# KiCad board gd MegaII proto pcb.kicad_pcb
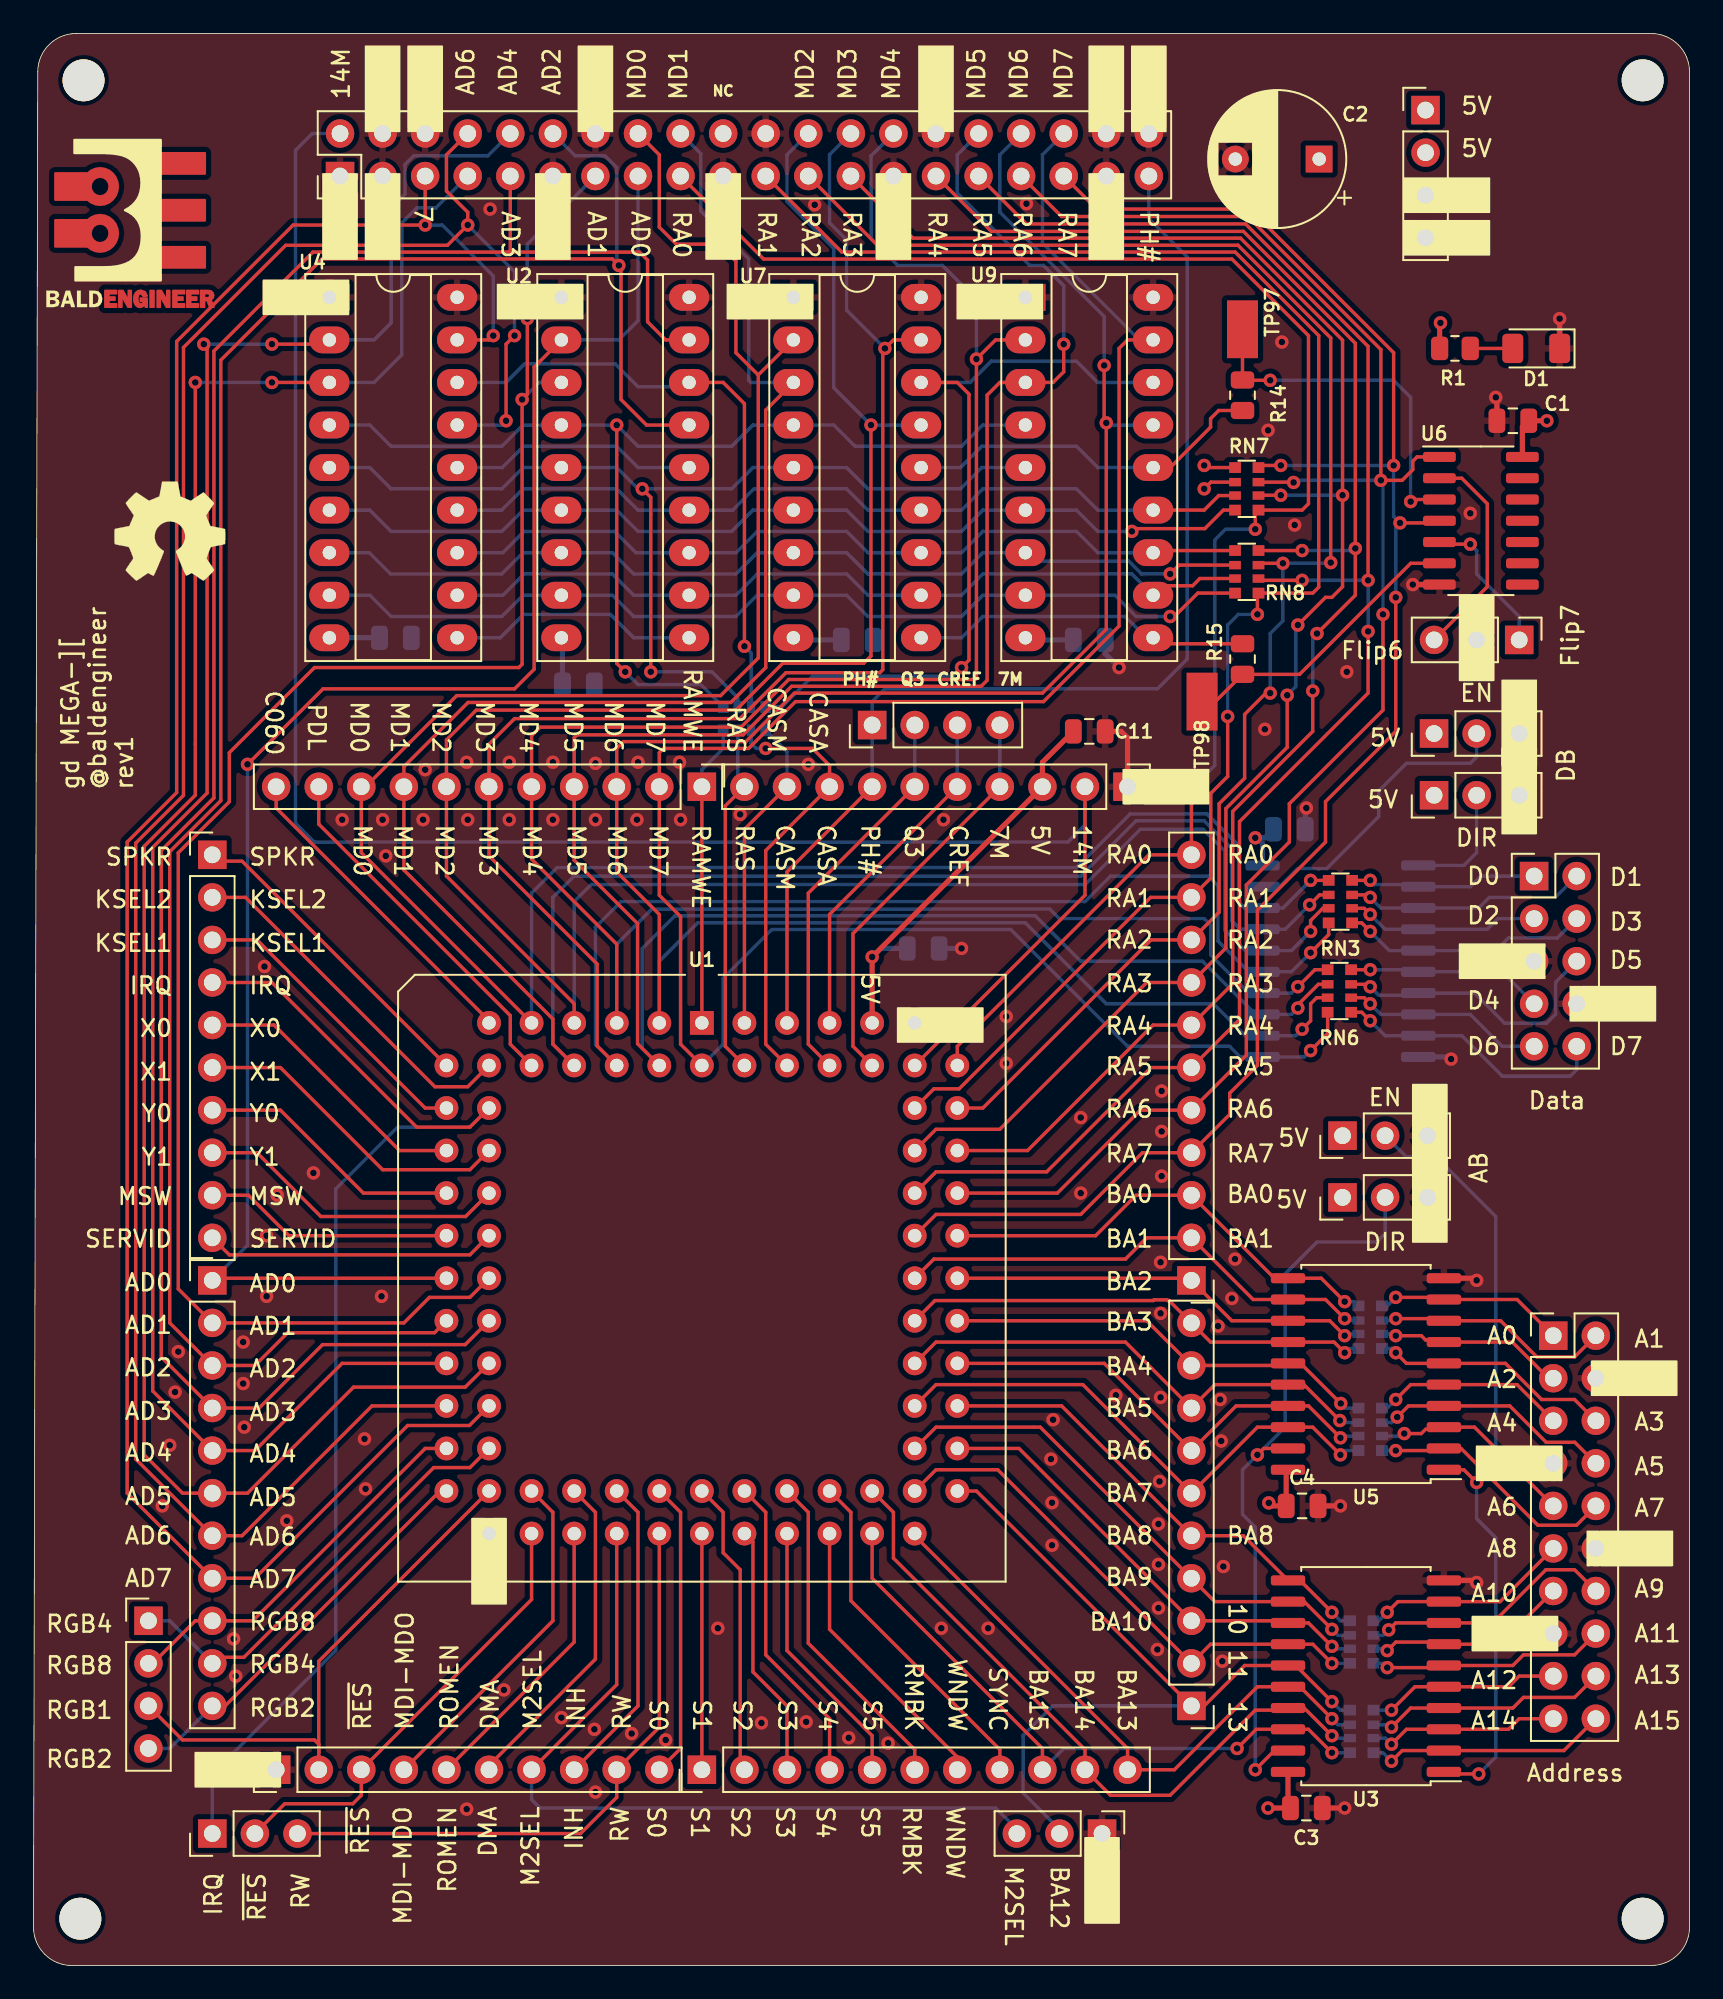
[diagram p0: board, top side]
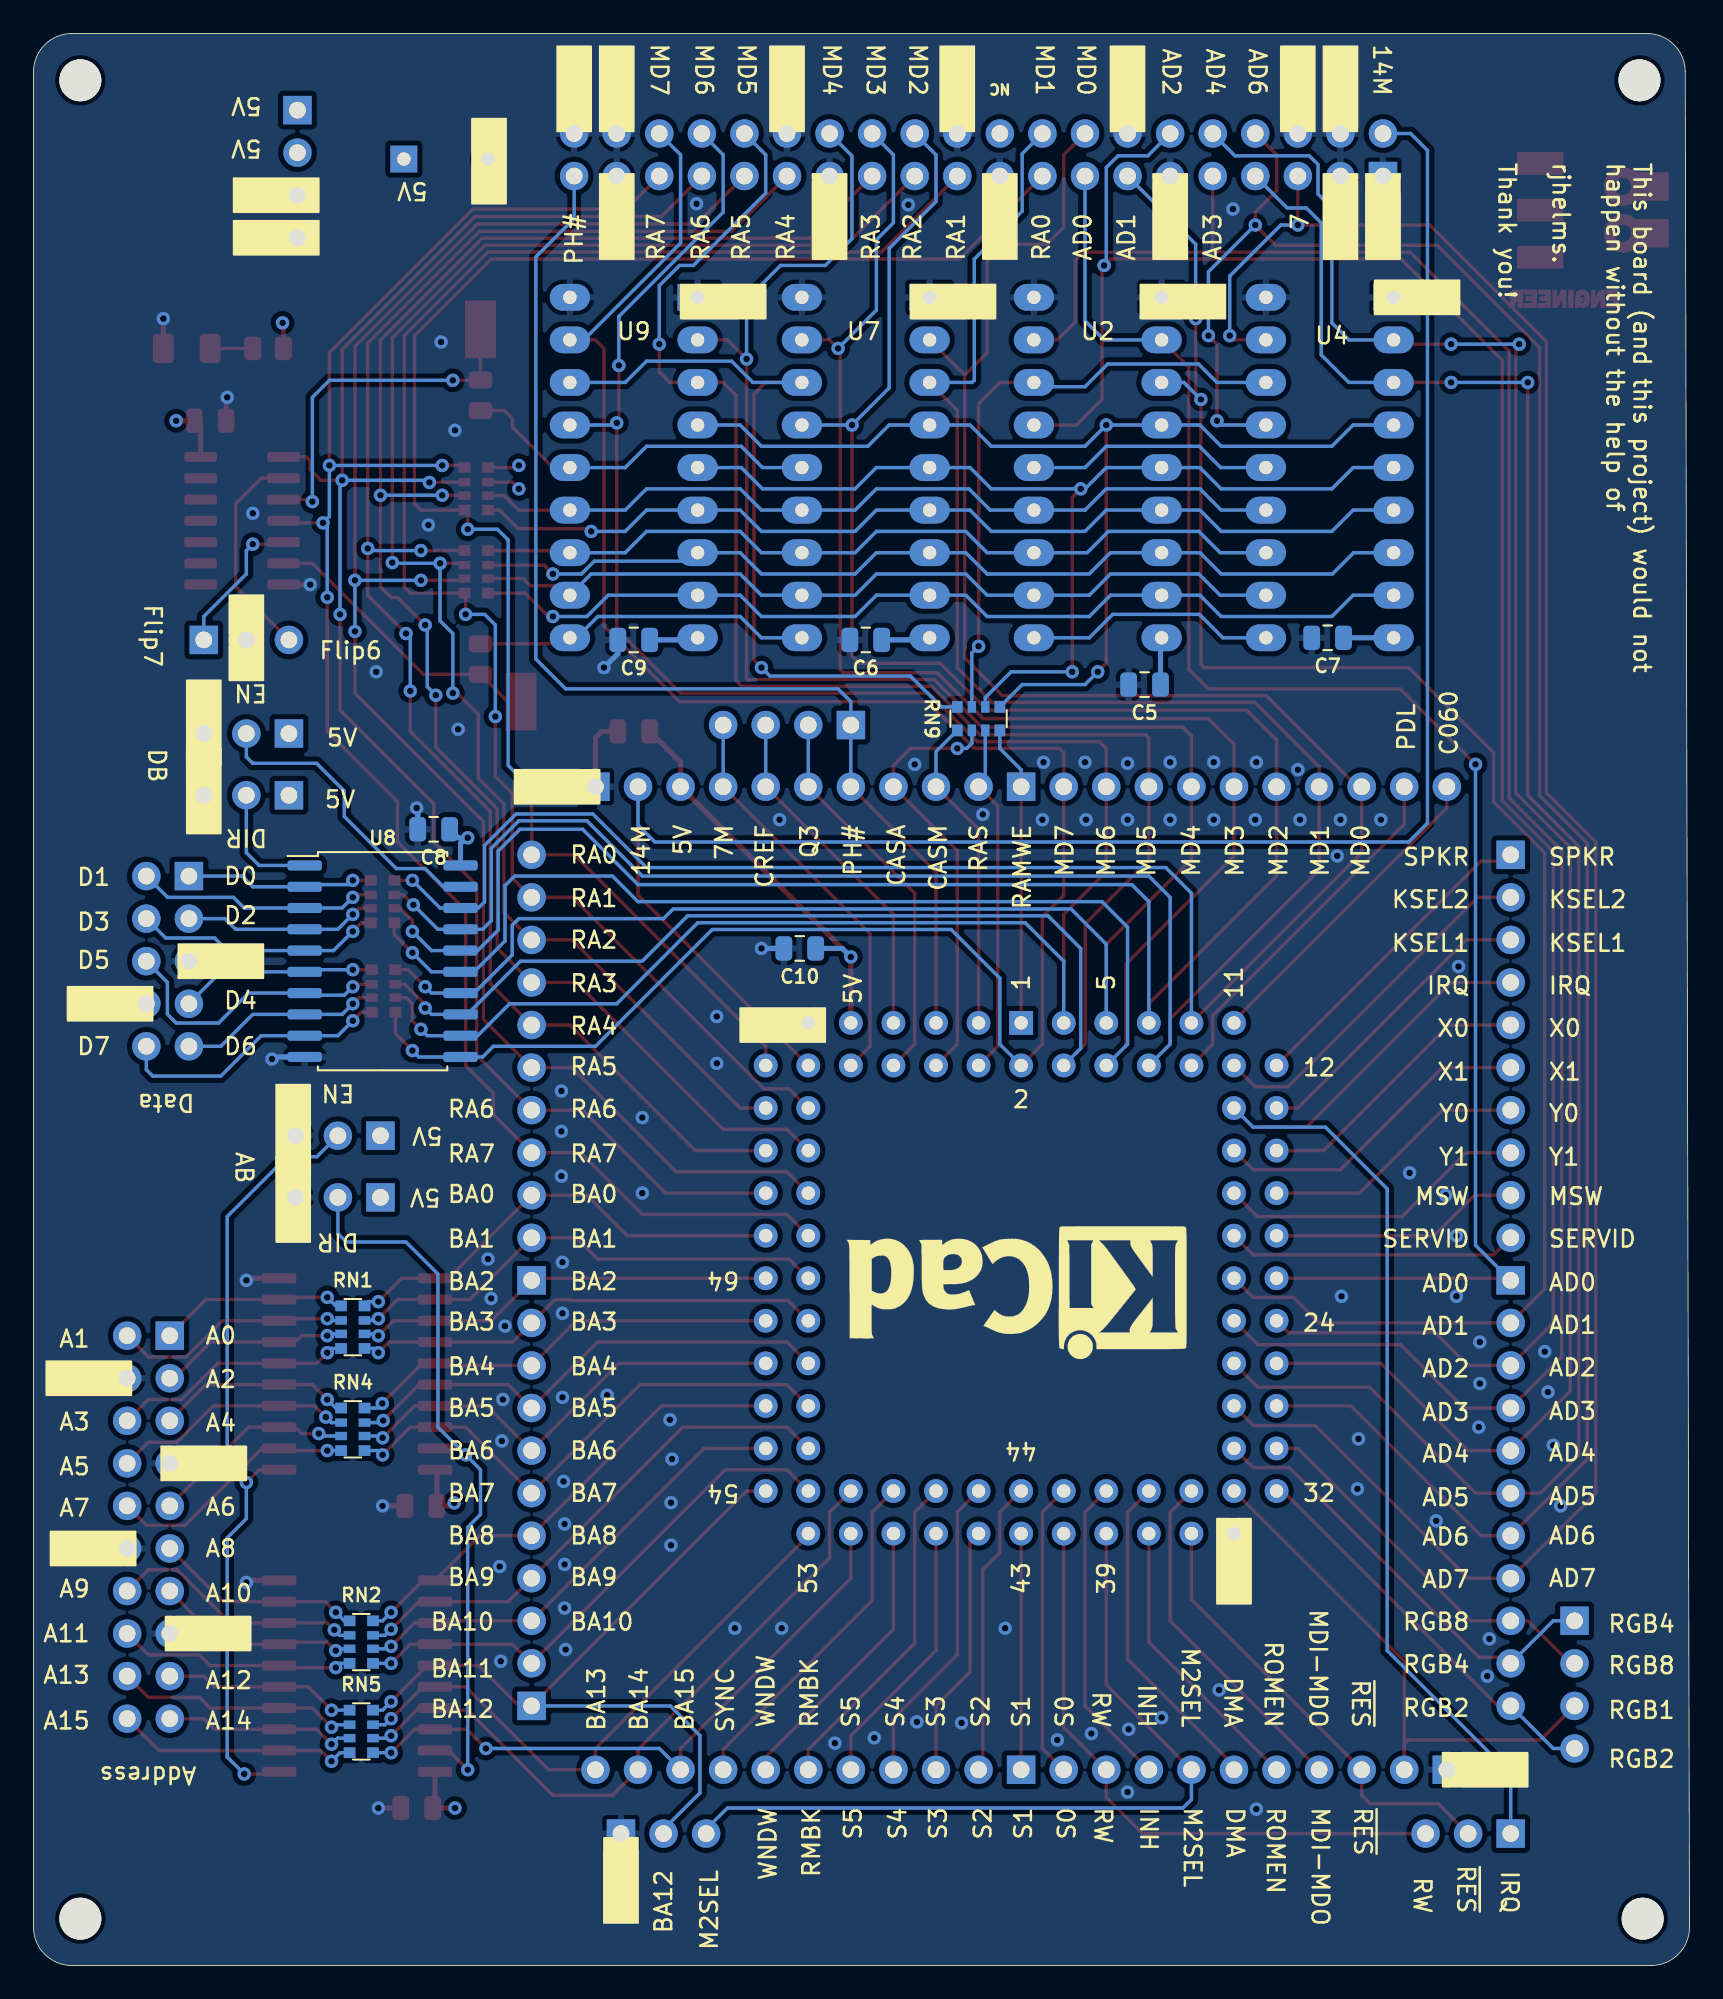
[diagram p1: board, bottom side, seen from below]

Outline 98.81 x 115.32 mm; copper layers: Top, In1.Cu, In2.Cu, Bottom. Coordinates in mm from the lower left corner of the outline.
Outline path: 0,2.29 0.25,113.03 arc(0.92,114.65) 2.54,115.32 96.52,115.32 arc(98.14,114.65) 98.81,113.03 98.81,2.29 arc(98.14,0.67) 96.52,0 2.29,0 arc(0.67,0.67) 0,2.29

## Placement (name value [footprint] x y rotation side)
C1  100nF  [C_0805_2012Metric]  88.26 92.2 180 top
C2  100uF  [CP_Radial_D8.0mm_P5.00mm]  76.71 107.82 180 top
C3  1uF  [C_0805_2012Metric]  75.95 9.4 0 top
C4  1uF  [C_0805_2012Metric]  75.69 27.43 0 top
C5  1uF  [C_0805_2012Metric]  32.51 76.45 0 bottom
C6  1uF  [C_0805_2012Metric]  49.15 79.12 0 bottom
C7  1uF  [C_0805_2012Metric]  21.59 79.25 0 bottom
C8  1uF  [C_0805_2012Metric]  74.93 67.82 0 bottom
C9  1uF  [C_0805_2012Metric]  62.99 79.12 0 bottom
C10  10uF  [C_0805_2012Metric]  53.09 60.71 0 bottom
C11  1uF  [C_0805_2012Metric]  62.99 73.66 0 top
D1  PWR  [LED_1206_3216Metric]  89.66 96.52 180 top
H1  MountingHole  [MountingHole_2.5mm]  96.01 2.79 0 top
H2  MountingHole  [MountingHole_2.5mm]  96.01 112.52 0 top
H3  MountingHole  [MountingHole_2.5mm]  2.98 112.52 0 top
H4  MountingHole  [MountingHole_2.5mm]  2.79 2.79 0 top
J1  ABDIR  [PinHeader_1x03_P2.54mm_Vertical]  78.1 49.53 90 top
J2  ABEN  [PinHeader_1x03_P2.54mm_Vertical]  78.1 45.85 90 top
J3  FLIP  [PinHeader_1x03_P2.54mm_Vertical]  88.65 79.12 270 top
J4  DBDIR  [PinHeader_1x03_P2.54mm_Vertical]  83.57 69.85 90 top
J5  DBEN  [PinHeader_1x03_P2.54mm_Vertical]  83.57 73.53 90 top
J6  VGC Extra 1  [PinHeader_1x03_P2.54mm_Vertical]  10.67 7.87 90 top
J7  Bald-Ext-1  [PinHeader_2x20_P2.54mm_Vertical]  18.29 106.81 90 top
J8  VGC Extra 2  [PinHeader_1x03_P2.54mm_Vertical]  63.75 7.87 270 top
J9  Address  [PinHeader_2x10_P2.54mm_Vertical]  90.68 37.59 0 top
J10  Data  [PinHeader_2x05_P2.54mm_Vertical]  89.53 65.02 0 top
J11  PWR  [PinHeader_1x04_P2.54mm_Vertical]  83.06 110.74 0 top
J12  CLKS  [PinHeader_1x04_P2.54mm_Vertical]  50.04 74.04 90 top
JP1  RGB Binary  [PinHeader_1x04_P2.54mm_Vertical]  6.86 20.57 0 top
JP3  P54-63  [PinHeader_1x10_P2.54mm_Vertical]  10.67 66.29 0 top
JP4  P64-74  [PinHeader_1x11_P2.54mm_Vertical]  10.67 40.89 0 top
JP7  P54-63  [PinHeader_1x10_P2.54mm_Vertical]  14.48 11.68 90 top
JP8  P64-74  [PinHeader_1x11_P2.54mm_Vertical]  39.88 70.36 270 top
JP11  P64-74  [PinHeader_1x11_P2.54mm_Vertical]  39.88 11.68 90 top
JP12  P54-63  [PinHeader_1x10_P2.54mm_Vertical]  65.28 70.36 270 top
JP15  P64-74  [PinHeader_1x11_P2.54mm_Vertical]  69.09 40.89 180 top
JP16  P54-63  [PinHeader_1x10_P2.54mm_Vertical]  69.09 15.49 180 top
R1  1k  [R_0805_2012Metric]  84.81 96.52 0 top
R14  100  [R_0805_2012Metric]  72.14 93.73 90 top
R15  100  [R_0805_2012Metric]  72.14 77.98 270 top
REF**  -  [OSHW-Symbol_6.7x6mm_SilkScreen]  8.13 85.6 0 top
REF**#2  -  [KiCad-Logo_8mm_SilkScreen]  40.13 40.13 0 bottom
RN1  R_Pack04  [R_Array_Convex_4x0612]  79.76 38.1 180 bottom
RN2  R_Pack04  [R_Array_Convex_4x0612]  79.25 19.3 180 bottom
RN3  R_Pack04  [R_Array_Convex_4x0612]  77.98 63.5 180 top
RN4  R_Pack04  [R_Array_Convex_4x0612]  79.76 32 180 bottom
RN5  R_Pack04  [R_Array_Convex_4x0612]  79.25 13.97 180 bottom
RN6  R_Pack04  [R_Array_Convex_4x0612]  77.92 58.17 180 top
RN7  100  [R_Array_Convex_4x0612]  72.39 88.14 180 top
RN8  100  [R_Array_Convex_4x0612]  72.39 83.19 180 top
RN9  100  [R_Array_Convex_4x0612]  42.42 74.42 90 bottom
svg2mod  G***  [BE10v2]  0.76 108.97 0 top
TP97  TestPoint  [Harwin-S1751-46-Test-Point]  72.14 97.66 90 top
TP98  TestPoint  [Harwin-S1751-46-Test-Point]  69.72 75.44 270 top
U1  Apple_MEGA_II  [PLCC-84_THT-Socket]  39.88 56.26 0 top
U2  DRAM64KX4  [DIP-18_W7.62mm_Socket_LongPads]  31.5 99.57 0 top
U3  74HCT245  [SOIC-20W_7.5x12.8mm_P1.27mm]  79.5 17.27 180 top
U4  DRAM64KX4  [DIP-18_W7.62mm_Socket_LongPads]  17.65 99.57 0 top
U5  74HCT245  [SOIC-20W_7.5x12.8mm_P1.27mm]  79.5 35.31 180 top
U6  74HCT86  [SOIC-14_3.9x8.7mm_P1.27mm]  86.36 86.23 0 top
U7  DRAM64KX4  [DIP-18_W7.62mm_Socket_LongPads]  45.34 99.57 0 top
U8  74HCT245  [SOIC-20W_7.5x12.8mm_P1.27mm]  77.98 59.94 180 bottom
U9  DRAM64KX4  [DIP-18_W7.62mm_Socket_LongPads]  59.18 99.57 0 top

## Footprints (pads in the part's own frame, mm; a bottom-side part is the same pattern mirrored in y, then rotated)
C_0805_2012Metric
  rrect 1x1.45 smd: 1(-0.95,0) 2(0.95,0)
CP_Radial_D8.0mm_P5.00mm
  rect 1.6x1.6 hole 0.8: 1(0,0)
  round 1.6 hole 0.8: 2(5,0)
DIP-18_W7.62mm_Socket_LongPads
  rect 2.4x1.6 hole 0.8: 1(0,0)
  oval 2.4x1.6 hole 0.8: 2(0,-2.54) 3(0,-5.08) 4(0,-7.62) 5(0,-10.16) 6(0,-12.7) 7(0,-15.24) 8(0,-17.78) 9(0,-20.32) 10(7.62,-20.32) 11(7.62,-17.78) 12(7.62,-15.24) 13(7.62,-12.7) 14(7.62,-10.16) 15(7.62,-7.62) 16(7.62,-5.08) 17(7.62,-2.54) 18(7.62,0)
Harwin-S1751-46-Test-Point
  rect 3.45x1.85 smd: 1(0,0)
LED_1206_3216Metric
  rrect 1.25x1.75 smd: 1(-1.4,0) 2(1.4,0)
MountingHole_2.5mm
  round 2.5 hole 2.5 unplated: (0,0)
PinHeader_1x03_P2.54mm_Vertical
  rect 1.7x1.7 hole 1: 1(0,0)
  oval 1.7x1.7 hole 1: 2(0,-2.54) 3(0,-5.08)
PinHeader_1x04_P2.54mm_Vertical
  rect 1.7x1.7 hole 1: 1(0,0)
  oval 1.7x1.7 hole 1: 2(0,-2.54) 3(0,-5.08) 4(0,-7.62)
PinHeader_1x10_P2.54mm_Vertical
  rect 1.7x1.7 hole 1: 1(0,0)
  oval 1.7x1.7 hole 1: 2(0,-2.54) 3(0,-5.08) 4(0,-7.62) 5(0,-10.16) 6(0,-12.7) 7(0,-15.24) 8(0,-17.78) 9(0,-20.32) 10(0,-22.86)
PinHeader_1x11_P2.54mm_Vertical
  rect 1.7x1.7 hole 1: 1(0,0)
  oval 1.7x1.7 hole 1: 2(0,-2.54) 3(0,-5.08) 4(0,-7.62) 5(0,-10.16) 6(0,-12.7) 7(0,-15.24) 8(0,-17.78) 9(0,-20.32) 10(0,-22.86) 11(0,-25.4)
PinHeader_2x05_P2.54mm_Vertical
  rect 1.7x1.7 hole 1: 1(0,0)
  oval 1.7x1.7 hole 1: 2(2.54,0) 3(0,-2.54) 4(2.54,-2.54) 5(0,-5.08) 6(2.54,-5.08) 7(0,-7.62) 8(2.54,-7.62) 9(0,-10.16) 10(2.54,-10.16)
PinHeader_2x10_P2.54mm_Vertical
  rect 1.7x1.7 hole 1: 1(0,0)
  oval 1.7x1.7 hole 1: 2(2.54,0) 3(0,-2.54) 4(2.54,-2.54) 5(0,-5.08) 6(2.54,-5.08) 7(0,-7.62) 8(2.54,-7.62) 9(0,-10.16) 10(2.54,-10.16) 11(0,-12.7) 12(2.54,-12.7) 13(0,-15.24) 14(2.54,-15.24) 15(0,-17.78) 16(2.54,-17.78) 17(0,-20.32) 18(2.54,-20.32) 19(0,-22.86) 20(2.54,-22.86)
PinHeader_2x20_P2.54mm_Vertical
  rect 1.7x1.7 hole 1: 1(0,0)
  oval 1.7x1.7 hole 1: 2(2.54,0) 3(0,-2.54) 4(2.54,-2.54) 5(0,-5.08) 6(2.54,-5.08) 7(0,-7.62) 8(2.54,-7.62) 9(0,-10.16) 10(2.54,-10.16) 11(0,-12.7) 12(2.54,-12.7) 13(0,-15.24) 14(2.54,-15.24) 15(0,-17.78) 16(2.54,-17.78) 17(0,-20.32) 18(2.54,-20.32) 19(0,-22.86) 20(2.54,-22.86) 21(0,-25.4) 22(2.54,-25.4) 23(0,-27.94) 24(2.54,-27.94) 25(0,-30.48) 26(2.54,-30.48) 27(0,-33.02) 28(2.54,-33.02) 29(0,-35.56) 30(2.54,-35.56) 31(0,-38.1) 32(2.54,-38.1) 33(0,-40.64) 34(2.54,-40.64) 35(0,-43.18) 36(2.54,-43.18) 37(0,-45.72) 38(2.54,-45.72) 39(0,-48.26) 40(2.54,-48.26)
PLCC-84_THT-Socket
  rect 1.422x1.422 hole 0.8: 1(0,0)
  round 1.422 hole 0.8: 2(0,-2.54) 3(-2.54,0) 4(-2.54,-2.54) 5(-5.08,0) 6(-5.08,-2.54) 7(-7.62,0) 8(-7.62,-2.54) 9(-10.16,0) 10(-10.16,-2.54) 11(-12.7,0) 12(-15.24,-2.54) 13(-12.7,-2.54) 14(-15.24,-5.08) 15(-12.7,-5.08) 16(-15.24,-7.62) 17(-12.7,-7.62) 18(-15.24,-10.16) 19(-12.7,-10.16) 20(-15.24,-12.7) 21(-12.7,-12.7) 22(-15.24,-15.24) 23(-12.7,-15.24) 24(-15.24,-17.78) 25(-12.7,-17.78) 26(-15.24,-20.32) 27(-12.7,-20.32) 28(-15.24,-22.86) 29(-12.7,-22.86) 30(-15.24,-25.4) 31(-12.7,-25.4) 32(-15.24,-27.94) 33(-12.7,-30.48) 34(-12.7,-27.94) 35(-10.16,-30.48) 36(-10.16,-27.94) 37(-7.62,-30.48) 38(-7.62,-27.94) 39(-5.08,-30.48) 40(-5.08,-27.94) 41(-2.54,-30.48) 42(-2.54,-27.94) 43(0,-30.48) 44(0,-27.94) 45(2.54,-30.48) 46(2.54,-27.94) 47(5.08,-30.48) 48(5.08,-27.94) 49(7.62,-30.48) 50(7.62,-27.94) 51(10.16,-30.48) 52(10.16,-27.94) 53(12.7,-30.48) 54(15.24,-27.94) 55(12.7,-27.94) 56(15.24,-25.4) 57(12.7,-25.4) 58(15.24,-22.86) 59(12.7,-22.86) 60(15.24,-20.32) 61(12.7,-20.32) 62(15.24,-17.78) 63(12.7,-17.78) 64(15.24,-15.24) 65(12.7,-15.24) 66(15.24,-12.7) 67(12.7,-12.7) 68(15.24,-10.16) 69(12.7,-10.16) 70(15.24,-7.62) 71(12.7,-7.62) 72(15.24,-5.08) 73(12.7,-5.08) 74(15.24,-2.54) 75(12.7,0) 76(12.7,-2.54) 77(10.16,0) 78(10.16,-2.54) 79(7.62,0) 80(7.62,-2.54) 81(5.08,0) 82(5.08,-2.54) 83(2.54,0) 84(2.54,-2.54)
R_0805_2012Metric
  rrect 1.025x1.4 smd: 1(-0.912,0) 2(0.912,0)
R_Array_Convex_4x0612
  rect 0.7x0.64 smd: 1(-0.7,1.27) 4(-0.7,-1.27) 5(0.7,-1.27) 8(0.7,1.27)
  rect 0.7x0.5 smd: 2(-0.7,0.4) 3(-0.7,-0.4) 6(0.7,-0.4) 7(0.7,0.4)
SOIC-14_3.9x8.7mm_P1.27mm
  rrect 1.95x0.6 smd: 1(-2.475,3.81) 2(-2.475,2.54) 3(-2.475,1.27) 4(-2.475,0) 5(-2.475,-1.27) 6(-2.475,-2.54) 7(-2.475,-3.81) 8(2.475,-3.81) 9(2.475,-2.54) 10(2.475,-1.27) 11(2.475,0) 12(2.475,1.27) 13(2.475,2.54) 14(2.475,3.81)
SOIC-20W_7.5x12.8mm_P1.27mm
  rrect 2.05x0.6 smd: 1(-4.65,5.715) 2(-4.65,4.445) 3(-4.65,3.175) 4(-4.65,1.905) 5(-4.65,0.635) 6(-4.65,-0.635) 7(-4.65,-1.905) 8(-4.65,-3.175) 9(-4.65,-4.445) 10(-4.65,-5.715) 11(4.65,-5.715) 12(4.65,-4.445) 13(4.65,-3.175) 14(4.65,-1.905) 15(4.65,-0.635) 16(4.65,0.635) 17(4.65,1.905) 18(4.65,3.175) 19(4.65,4.445) 20(4.65,5.715)

## Nets
+5V: C1.1 C2.1 C3.1 C4.1 C5.1 C6.1 C7.1 C8.1 C9.1 C10.1 C11.1 J1.1 J2.1 J4.1 J5.1 J11.1 J11.2 JP12.3 R1.1 U1.77 U2.9 U3.20 U4.9 U5.20 U6.14 U7.9 U8.20 U9.9
GND: C1.2 C2.2 C3.2 C4.2 C5.2 C6.2 C7.2 C8.2 C9.2 C10.2 C11.2 D1.1 J1.3 J2.3 J3.2 J4.3 J5.3 J7.1 J7.3 J7.4 J7.6 J7.11 J7.14 J7.19 J7.22 J7.27 J7.30 J7.37 J7.38 J7.40 J8.1 J9.4 J9.7 J9.12 J9.15 J10.5 J10.8 J11.3 J11.4 JP7.1 JP12.1 U1.33 U1.75 U2.1 U2.18 U3.10 U4.1 U4.18 U5.10 U6.7 U7.1 U7.18 U8.10 U9.1 U9.18
/7M: J12.4 JP12.4 U1.78
/14M: J7.2 JP12.2 U1.76
/A0: J9.1 RN1.1 U5.9
/A1: J9.2 RN1.2 U5.8
/A2: J9.3 RN1.3 U5.7
/A3: J9.6 RN1.4 U5.6
/A4: J9.5 RN4.1 U5.5
/A5: J9.8 RN4.2 U5.4
/A6: J9.9 RN4.3 U5.3
/A7: J9.10 RN4.4 U5.2
/A8: J9.11 RN2.1 U3.9
/A9: J9.14 RN2.2 U3.8
/A10: J9.13 RN2.3 U3.7
/A11: J9.16 RN2.4 U3.6
/A12: J9.17 RN5.1 U3.5
/A13: J9.18 RN5.2 U3.4
/A14: J9.19 RN5.3 U3.3
/A15: J9.20 RN5.4 U3.2
/ABDIR: J1.2 U3.1 U5.1
/ABEN: J2.2 U3.19 U5.19
/AD0: J7.15 JP4.1 U1.22 U2.2
/AD1: J7.13 JP4.2 U1.23 U2.3
/AD2: J7.12 JP4.3 U1.24 U2.15
/AD3: J7.9 JP4.4 U1.25 U2.17
/AD4: J7.10 JP4.5 U1.26 U4.2
/AD5: J7.7 JP4.6 U1.27 U4.3
/AD6: J7.8 JP4.7 U1.28 U4.15
/AD7: J7.5 JP4.8 U1.29 U4.17
/BA0: JP15.3 RN1.8 U1.66 U5.11
/BA1: JP15.2 RN1.7 U1.65 U5.12
/BA2: JP15.1 RN1.6 U1.64 U5.13
/BA3: JP16.10 RN1.5 U1.63 U5.14
/BA4: JP16.9 RN4.8 U1.62 U5.15
/BA5: JP16.8 RN4.7 U1.61 U5.16
/BA6: JP16.7 RN4.6 U1.60 U5.17
/BA7: JP16.6 RN4.5 U1.59 U5.18
/BA8: JP16.5 RN2.8 U1.58 U3.11
/BA9: JP16.4 RN2.7 U1.57 U3.12
/BA10: JP16.3 RN2.6 U1.56 U3.13
/BA11: JP16.2 RN2.5 U1.55 U3.14
/BA12: J8.2 JP16.1 RN5.8 U1.54 U3.15
/BA13: JP11.11 RN5.7 U1.53 U3.16
/BA14: JP11.10 RN5.6 U1.52 U3.17
/BA15: JP11.9 RN5.5 U1.51 U3.18
/C060-67: JP8.11 U1.11
/CASA: JP12.8 RN9.2 U1.82
/CASA.B: RN9.7 U2.16 U4.16
/CASM: JP12.9 RN9.1 U1.83
/CASM.B: RN9.8 U7.16 U9.16
/CREF: J12.3 JP12.5 U1.79
/D0: J10.1 RN3.4 U8.2
/D1: J10.2 RN3.3 U8.3
/D2: J10.3 RN3.2 U8.4
/D3: J10.4 RN3.1 U8.5
/D4: J10.7 RN6.4 U8.6
/D5: J10.6 RN6.3 U8.7
/D6: J10.9 RN6.2 U8.8
/D7: J10.10 RN6.1 U8.9
/DBDIR: J4.2 U8.1
/DBEN: J5.2 U8.19
/DMA: JP7.6 U1.38
/FLIP6: J3.3 U6.2
/FLIP7: J3.1 U6.5
/INH: JP7.8 U1.40
/IRQ: J6.1 JP3.4 U1.15
/KSEL1: JP3.2 U1.13
/KSEL2: JP3.3 U1.14
/M2SEL: J8.3 JP7.7 U1.39
/MD0: J7.16 JP8.9 RN3.5 U1.9 U7.2 U8.18
/MD1: J7.18 JP8.8 RN3.6 U1.8 U7.3 U8.17
/MD2: J7.24 JP8.7 RN3.7 U1.7 U7.15 U8.16
/MD3: J7.26 JP8.6 RN3.8 U1.6 U7.17 U8.15
/MD4: J7.28 JP8.5 RN6.5 U1.5 U8.14 U9.2
/MD5: J7.32 JP8.4 RN6.6 U1.4 U8.13 U9.3
/MD6: J7.34 JP8.3 RN6.7 U1.3 U8.12 U9.15
/MD7: J7.36 JP8.2 RN6.8 U1.2 U8.11 U9.17
/MDI-MDO: JP7.4 U1.36
/MSW: JP3.9 U1.20
/PDLTRIG: JP8.10 U1.10
/PH#: J7.39 J12.1 JP12.7 U1.81
/Q3: J12.2 JP12.6 U1.80
/R-W: J6.3 JP7.9 U1.41
/RA0: J7.17 JP15.11 RN7.1 U1.74
/RA1: J7.21 JP15.10 RN8.1 U1.73
/RA2: J7.23 JP15.9 RN8.3 U1.72
/RA3: J7.25 JP15.8 RN7.2 U1.71
/RA4: J7.29 JP15.7 RN8.4 U1.70
/RA5: J7.31 JP15.6 RN8.2 U1.69
/RA6: J7.33 JP15.5 RN7.3 U1.68 U6.1
/RA7: J7.35 JP15.4 RN7.4 U1.67 U6.4
/RAF0: RN7.8 U2.6 U4.6 U7.6 U9.6
/RAF1: RN8.8 U2.8 U4.8 U7.8 U9.8
/RAF2: RN8.6 U2.7 U4.7 U7.7 U9.7
/RAF3: RN7.7 U2.13 U4.13 U7.13 U9.13
/RAF4: RN8.5 U2.12 U4.12 U7.12 U9.12
/RAF5: RN8.7 U2.11 U4.11 U7.11 U9.11
/RAF6: RN7.6 U2.14 U4.14
/RAF7: RN7.5 U2.10 U4.10
/RAMWE: JP8.1 RN9.4 U1.1
/RAS: JP12.10 RN9.3 U1.84
/RAS.B: RN9.6 U2.5 U4.5 U7.5 U9.5
/RESET: J6.2 JP7.3 U1.35
/RGB1: JP1.3 JP7.2 U1.34
/RGB2: JP1.4 JP4.11 U1.32
/RGB4: JP1.1 JP4.10 U1.31
/RGB8: JP1.2 JP4.9 U1.30
/RMBK: JP11.6 U1.48
/ROMEN: JP7.5 U1.37
/RWE.B: RN9.5 U2.4 U4.4 U7.4 U9.4
/S0: JP7.10 U1.42
/S1: JP11.1 U1.43
/S2: JP11.2 U1.44
/S3: JP11.3 U1.45
/S4: JP11.4 U1.46
/S5: JP11.5 U1.47
/SERVIDEO: JP3.10 U1.21
/SPKR: JP3.1 U1.12
/SYNC: JP11.8 U1.50
/UM4-10: R15.1 U7.10 U9.10
/UM4-14: R14.1 U7.14 U9.14
/WINDOW: JP11.7 U1.49
/X0: JP3.5 U1.16
/X1: JP3.6 U1.17
/Y0: JP3.7 U1.18
/Y1: JP3.8 U1.19
Net-(D1-Pad2): D1.2 R1.2
Net-(J7-Pad20): J7.20
Net-(R14-Pad2): R14.2 TP97.1 U6.3
Net-(R15-Pad2): R15.2 TP98.1 U6.6

Pads without a net: U6 8 9 10 11 12 13

## Via types
v1: diameter 0.8, hole 0.4, Top to Bottom, 217 vias
